# Allegro board pc065a_toplevel_49_modvia.brd (continued)
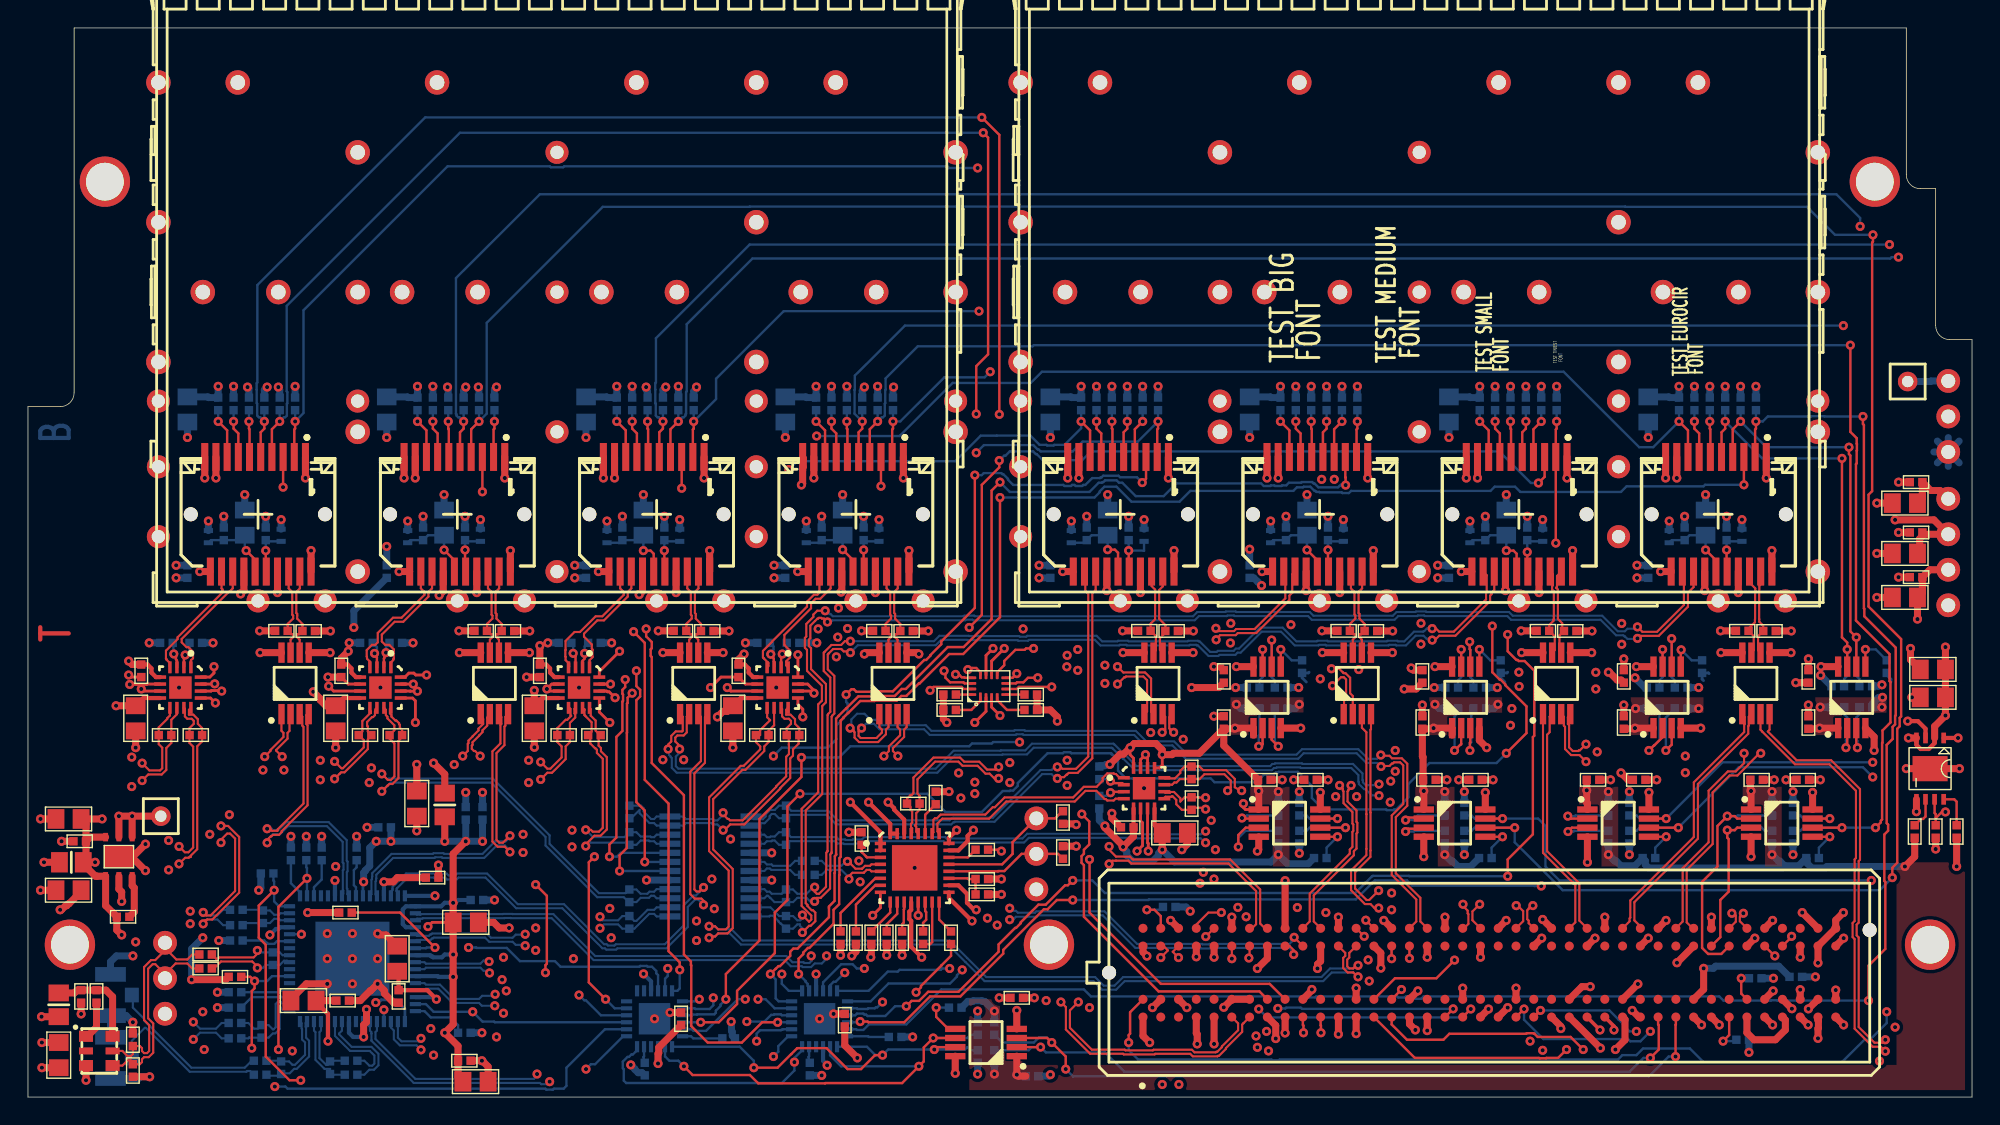
[diagram p0: board, top side]
## Routing (per net, layer and track width the routed paths; a pad name or vN(x,y) marks a point on that pad's centre or on a via; arc(x,y) is an arc through that point) (continued)
  L3_SIG w0.15: v1(36.4,1.65) 36.45,1.7 37.29,1.7 37.33,1.66 37.53,1.66 38.21,0.99 74.26,0.99 74.31,1.04 78.19,1.04 79.01,1.85 81.23,1.85 81.41,1.67 81.54,1.67 82.29,0.91 v1(82.29,0.9)
  L6_SIG w0.15: v1(82.29,0.9) 81.88,1.31 81.88,9.68 82.18,9.98 v1(82.27,9.98)
  BOTTOM w0.15: IC3.53 24.95,4.75 24.85,4.65 24.85,4.15 27.7,1.3 36.19,1.3 v1(36.4,1.65)
CLK_MAIN_P<0>: length 20.6
  TOP w0.15: v1(17.1,19.2) 17.3,19.2 17.45,19.05 17.82,19.05 17.85,19.08 17.85,19.15 19.7,21 19.7,26.49 19.61,26.58 19.61,27.21 U3.3
  BOTTOM w0.15: v1(17.1,19.2) 17.42,19.2 17.53,19.09 17.89,19.09 18.48,19.68 21.5,19.68 22.79,18.38 22.79,16.91 22.85,16.85 22.85,16.15 22.8,16.1 22.8,14.93 22.84,14.9 22.84,14.52 IC3.24
CLK_MAIN_P<1>: length 23.3
  TOP w0.15: v1(34.46,17.54) 34.09,17.91 34.08,17.91 33.58,17.91 33.21,18.28 33.21,24.73 33.78,25.3 33.78,26.63 33.84,26.7 33.84,27.2 33.67,27.37 U4.3
  BOTTOM w0.15: IC3.28 24.85,14.5 24.85,15.43 24.89,15.47 24.89,15.63 24.91,15.65 24.91,15.91 26.11,17.11 29.07,17.11 29.12,17.16 29.58,17.16 29.63,17.11 32.62,17.11 33.51,18 34.1,18 34.46,17.64 v1(34.46,17.54)
CLK_MAIN_P<2>: length 42.3
  TOP w0.15: 47.92,27.4 48.12,27.21 48.12,24.04 47.36,23.28 47.36,14.52 47.68,14.2 48.15,14.2 48.3,14.05 v1(48.3,13.75)
  BOTTOM w0.15: IC3.31 26.45,14.63 26.36,14.72 26.36,14.78 26.36,14.78 26.36,14.91 26.39,14.94 26.39,14.94 27.15,15.7 29.01,15.7 29.02,15.7 29.83,15.7 29.96,15.57 30.64,15.57 30.78,15.7 32.71,15.7 34.9,13.51 38.2,13.51 41.07,10.65 41.25,10.65 41.35,10.55 42.05,10.55 42.15,10.65 45.66,10.65 47.17,12.16 47.17,13.6 47.71,14.13 47.92,14.13 v1(48.3,13.75)
CLK_MAIN_P<3>: length 55.2
  TOP w0.15: v1(61.2,24.4) 61.55,24.76 61.55,25.09 62.35,25.89 62.35,26.29 62.17,26.47 U6.3
  L6_SIG w0.15: v1(57.1,10.1) 56.81,10.39 56.81,12.29 57.13,12.61 57.13,24.13 58.49,25.49 61.17,25.49 61.5,25.16 61.5,24.7 v1(61.2,24.4)
  BOTTOM w0.15: IC3.35 27.82,12.77 28.2,12.77 28.23,12.8 34.07,12.8 34.09,12.82 34.51,12.82 34.53,12.8 37.44,12.8 40.44,9.8 54.1,9.8 54.54,9.36 55.33,9.36 55.39,9.3 55.99,9.3 56.25,9.56 56.76,9.56 57.1,9.9 v1(57.1,10.1)
CLK_MAIN_P<4>: length 72.7
  TOP w0.15: v1(81.09,26.1) 81.1,26.1 81.31,26.31 81.31,27.21 U10.3
  L3_SIG w0.15: v1(35.55,10.83) 35.89,11.18 38.52,11.18 39.41,10.29 47.69,10.29 47.7,10.28 48.38,10.28 48.39,10.29 55.33,10.29 56.28,11.24 70.47,11.24 72.16,12.94 72.17,12.94 72.33,13.09 76.76,13.09 79.26,15.59 83.51,15.59 v1(83.8,15.3)
  L6_SIG w0.15: v1(81.09,26.1) 81.09,26.01 81.1,26.01 81.1,25.67 81.31,25.46 81.31,25.08 81.66,24.73 81.66,24.1 83.19,22.57 83.19,17.94 83.22,17.91 83.22,17.49 83.19,17.46 83.19,15.91 v1(83.8,15.3)
  BOTTOM w0.15: v1(35.55,10.83) 35.49,10.89 34.87,10.89 34.65,11.11 32.98,11.11 32.68,11.41 29.01,11.41 28.95,11.35 28.89,11.35 28.78,11.25 28.11,11.25 28.1,11.24 28.09,11.24 28.08,11.25 27.8,11.25 IC3.38
CLK_MAIN_P<5>: length 88.5
  TOP w0.15: v1(96.58,13.52) 96.28,13.52 95.99,13.81 95.59,13.81 94.6,14.8 94.6,16.21 95.69,17.31 95.69,17.76 95.7,17.76 95.7,20.24 95.69,20.24 95.69,26.11 95.38,26.43 U9.3
  L3_SIG w0.15: v1(96.58,13.52) 96.4,13.52 96.12,13.8 95.77,13.8 94.56,12.59 94.56,12.51 94.06,12.01 93.98,12.01 89.63,7.66 68.12,7.66 67.64,8.15 59.68,8.15 59.48,7.95 56.73,7.95 56.71,7.93 52.72,7.93 52.7,7.95 49.41,7.95 49.37,7.99 48.63,7.99 48.59,7.95 44.78,7.95 44.77,7.94 43.65,7.94 41.61,7.95 41.57,7.99 40.83,7.99 40.79,7.95 35.72,7.95 34.67,8.99 33.78,8.99 33.58,9.19 33.44,9.19 33.28,9.04 33.16,9.04 v1(33,8.88)
  BOTTOM w0.15: v1(33,8.88) 32.85,9.04 32.57,9.04 32.35,9.26 28.45,9.26 28.35,9.15 IC3.42
CLK_MAIN_P<6>: length 111.9
  TOP w0.15: U8.3 109.81,27.21 109.81,26.58 109.9,26.49 109.9,24.9 110.33,24.47 110.93,24.47 v1(111.4,24)
  L3_SIG w0.15: v1(33.38,6.53) 33.42,6.53 33.54,6.65 38.31,6.65 38.83,6.13 44.27,6.13 44.79,6.65 46.45,6.65 47.07,6.03 47.88,6.03 47.89,6.05 50.55,6.05 50.63,6.13 52.56,6.13 52.62,6.19 55.83,6.19 56.09,6.45 57.31,6.45 57.37,6.51 57.83,6.51 57.89,6.45 59.24,6.45 59.45,6.25 60.18,6.25 60.84,5.59 64.52,5.59 64.58,5.53 65.3,5.53 65.36,5.59 66.38,5.59 66.83,5.14 73.07,5.14 73.07,5.13 83.33,5.13 83.75,5.55 86.61,5.55 86.73,5.43 89.76,5.43 89.91,5.58 92.27,5.58 92.68,5.16 98.77,5.16 98.97,5.36 99.43,5.36 99.48,5.32 100.58,5.32 100.74,5.16 104.91,5.16 107.12,2.95 107.48,2.95 107.53,2.9 107.95,2.9 108.3,3.25 v1(108.3,3.35)
  L6_SIG w0.15: v1(111.4,24) 111,24.4 110.72,24.4 109.41,23.09 109.41,5.6 108.53,4.72 108.53,4.56 108.4,4.43 108.4,3.45 v1(108.3,3.35)
  BOTTOM w0.15: IC3.45 28.35,7.65 28.45,7.76 29.33,7.76 30.36,6.73 32.25,6.73 32.45,6.53 v1(33.38,6.53)
CLK_MAIN_P<7>: length 140.5
  TOP w0.15: v1(132.8,3.28) 132.48,3.6 131.9,3.6 130.61,4.89 130.61,11.3 130.46,11.45 130.46,12.45 130.61,12.6 130.61,17.01 130.7,17.1 130.7,21.92 128.81,23.81 126.34,23.81 123.99,26.16 123.99,26.17 123.88,26.29 U7.3
  L3_SIG w0.15: v1(28.1,3.38) 28.3,3.38 28.39,3.47 28.68,3.47 28.77,3.56 29.63,3.56 29.7,3.49 32.82,3.49 32.87,3.45 33.12,3.45 33.14,3.43 33.86,3.43 33.88,3.45 35.54,3.45 35.62,3.53 37.18,3.53 37.26,3.45 45.45,3.45 45.65,3.25 51.49,3.25 51.51,3.22 51.53,3.22 51.56,3.19 51.68,3.19 51.74,3.13 52.46,3.13 52.58,3.25 52.85,3.25 53.07,3.46 53.53,3.46 53.58,3.42 60.19,3.42 60.39,3.61 61.75,3.61 62.37,2.99 63.91,2.99 64.4,2.5 65.9,2.5 66.09,2.69 71.81,2.69 71.98,2.52 73.92,2.52 73.97,2.56 74.43,2.56 74.48,2.52 75.28,2.52 75.55,2.25 86.92,2.25 87.31,1.85 110.24,1.85 110.29,1.9 130.4,1.9 132.1,3.6 132.48,3.6 v1(132.8,3.28)
  BOTTOM w0.15: IC3.51 25.95,4.97 26.16,4.76 26.16,4.13 26.59,3.7 27.78,3.7 v1(28.1,3.38)
CLK_MAIN_P<8>: length 71.6
  TOP w0.15: 81,10.8 81.19,10.8 81.48,10.51 81.48,10.47 v1(81,9.98)
  L3_SIG w0.15: v1(37.3,1.1) 37.3,0.97 37.54,0.72 37.99,0.72 38.04,0.68 74.39,0.68 74.44,0.72 78.32,0.72 79.14,1.54 80.95,1.54 81.1,1.39 v1(81.1,0.9)
  L6_SIG w0.15: v1(81.1,0.9) 81.57,1.37 81.57,9.73 81.32,9.98 v1(81,9.98)
  BOTTOM w0.15: IC3.54 24.45,4.75 24.55,4.65 24.55,4.54 24.56,4.53 24.56,4.07 24.55,4.06 24.55,4.03 27.58,1.01 36.6,1.01 36.69,0.92 37.16,0.92 37.27,1.09 v1(37.3,1.1)
CLK_RST_B: length 38
  TOP w0.17: R9.2 15.9,8.6 v1(16.2,8.3) 16.2,7.78 16,7.58 v1(16,3.5)
  L3_SIG w0.17: v1(39.9,2) 39.55,2.35 39.44,2.35 39.38,2.4 36.92,2.4 36.77,2.55 36.03,2.55 35.88,2.4 34.67,2.4 33.92,1.66 20.75,1.66 20.3,2.1 16.91,2.1 16,3.01 v1(16,3.5)
  BOTTOM w0.17: v1(16.2,8.3) 17.1,8.3 17.45,8.65 IC3.6 ; v1(39.9,2) 40.25,2.35 40.55,2.35 42.55,4.35 IC23.1
CLK_SI_N<0>: length 5.7
  BOTTOM w0.15: C22.1 18.05,2.6 R13.2 18.66,2.55 18.91,2.31 19.1,2.31 19.81,3.02 19.81,3.91 19.6,4.12 19.6,4.87 19.57,4.9 19.57,5.29 IC3.64
CLK_SI_N<1>: length 5.8
  BOTTOM w0.15: C24.1 15.75,5.3 16.16,4.9 16.45,4.9 R14.2 17.2,5.15 17.51,4.85 17.56,4.85 17.71,5 17.71,6.66 17.86,6.81 18.07,6.81 18.32,6.56 18.61,6.56 IC3.2
CLK_SI_N<2>: length 3.5
  BOTTOM w0.15: IC3.15 18.05,13.15 17.95,13.04 17.61,13.04 17.3,13.35 R15.2 16.75,13.4 C26.1
CLK_SI_N<3>: length 5.5
  BOTTOM w0.15: IC3.62 20.45,4.75 20.55,4.65 20.55,2.66 21.2,2.02 21.6,2.02 R16.2 21.65,1.6 C28.1
CLK_SI_P<0>: length 6.3
  BOTTOM w0.15: C21.1 17.12,1.53 17.98,1.53 R13.1 18.15,1.7 18.71,1.7 19.03,2.02 19.22,2.02 20.1,2.9 20.1,4.03 19.89,4.24 19.89,4.99 19.86,5.02 19.86,5.31 IC3.63
CLK_SI_P<1>: length 5.5
  BOTTOM w0.15: C23.1 15.75,4.2 15.82,4.26 15.83,4.25 R14.1 17.2,4.25 17.51,4.56 17.68,4.56 18,4.87 18,6.47 18.2,6.27 18.59,6.27 IC3.1
CLK_SI_P<2>: length 3.6
  BOTTOM w0.15: C25.1 15.5,12.45 R15.1 17.3,12.45 17.61,12.76 17.95,12.76 18.05,12.65 IC3.14
CLK_SI_P<3>: length 4.8
  BOTTOM w0.15: IC3.61 20.95,4.75 20.84,4.65 20.84,2.78 21.32,2.3 21.42,2.3 21.57,2.46 21.57,2.52 R16.1 21.65,2.6 C27.1
FMC_LA_N<2>: length 98.6
  TOP w0.15: U3.2 18.7,27.33 18.7,26.2 18.56,26.06 18.56,25.64 17.74,24.82 17.74,24.79 v1(18.17,24.36) ; J10.H8 88.44,12.08 88.1,12.42 88.1,14.86 85.96,17 79,17 78.8,17.2 77.79,17.2 77.3,17.7 v1(77.3,17.93)
  L3_SIG w0.15: v1(18.17,24.36) 17.78,24.75 17.78,27.68 20.81,30.71 27.39,30.71 27.44,30.66 28.17,30.66 28.27,30.76 28.73,30.76 28.83,30.66 31.24,30.66 31.7,31.12 35.14,31.12 35.27,30.99 35.43,30.99 35.49,30.93 36.22,30.93 36.28,30.99 38.51,30.99 38.62,30.88 39.44,30.88 39.44,30.88 40.16,30.88 40.27,30.99 40.83,30.99 40.96,31.12 41.84,31.12 41.94,31.03 42.66,31.03 42.76,31.12 44.04,31.12 44.47,30.69 53.4,30.69 53.51,30.58 54.19,30.58 54.33,30.72 57.29,30.72 57.37,30.64 57.43,30.64 57.44,30.63 58.16,30.63 58.21,30.67 58.94,30.67 58.99,30.72 64.66,30.72 65.06,31.13 66.8,31.13 66.89,31.22 67.31,31.22 67.4,31.13 73.76,31.13 73.97,30.92 74.15,30.92 v1(74.28,30.79)
  L6_SIG w0.15: v1(74.28,30.79) 74.15,30.92 73.97,30.92 73.76,31.13 73.47,31.13 73.32,30.98 73.32,30.58 76.6,27.3 76.6,20.96 76.37,20.73 76.37,17.92 76.75,17.53 77.1,17.53 77.3,17.73 v1(77.3,17.93)
FMC_LA_N<3>: length 102.2
  TOP w0.15: v1(8.16,23.89) 8.68,23.37 9.44,23.37 9.6,23.53 9.6,25 9.35,25.25 R61.1 9.35,26.45 9.96,27.06 9.96,27.11 10.15,27.3 IC4.9 ; v1(90.53,11.43) 91.16,10.8
  L3_SIG w0.15: v1(67.7,22.53) 67.47,22.3 67.04,22.3 66.71,22.63 66.31,22.63 66.14,22.8 49.7,22.8 48.04,21.14 32.8,21.14 32.76,21.1 16.61,21.1 14.31,23.4 8.65,23.4 v1(8.16,23.89)
  L6_SIG w0.15: v1(70.19,13.51) 69.85,13.17 69.46,13.17 68.91,13.72 68.91,17.45 68.89,17.47 68.89,21.94 68.56,22.28 67.95,22.28 v1(67.7,22.53)
  BOTTOM w0.15: v1(90.53,11.43) 90.5,11.43 90.35,11.28 90.35,11.11 90.2,10.96 84.48,10.96 84.44,10.92 83.98,10.92 83.94,10.96 79.3,10.96 76.97,13.29 72.1,13.29 72,13.19 70.78,13.19 70.64,13.32 70.49,13.32 70.4,13.42 70.28,13.42 v1(70.19,13.51)
FMC_LA_N<4>: length 85
  TOP w0.15: v1(32.33,24.4) 31.97,24.76 31.89,24.76 31.74,24.91 31.74,25.15 31.79,25.2 31.79,25.39 32.26,25.86 32.26,25.88 32.5,26.11 32.5,26.24 32.84,26.58 32.84,27.15 32.89,27.2 32.89,27.26 33.02,27.4 ; v1(94.6,22.3) 94.6,22.18 94.41,21.99 94.41,21.92 94.35,21.87 94.35,21.15 94.99,20.51 94.99,19.69 95.05,19.63 95.05,18.92 94.99,18.86 94.99,17.78 94.8,17.59 94.8,17.3 91.94,14.44 91.94,12.57 J10.H11
  L3_SIG w0.15: v1(94.6,22.3) 94.61,22.31 94.61,22.93 94.4,23.14 94.4,23.54 94.07,23.87 93.73,23.87 93.31,24.29 87.59,24.29 87.47,24.4 85.1,24.4 82.58,26.92 82.32,26.92 82.27,26.97 81.55,26.97 81.55,26.97 80.73,26.97 80.73,26.96 79.93,26.96 79.89,26.92 79.72,26.92 78.78,25.98 73.39,25.98 72.22,24.83 69.56,24.83 69.53,24.8 68.1,24.8 67.7,24.4 65.96,24.4 65.36,23.8 55.59,23.8 55.53,23.74 55.07,23.74 55.02,23.79 48.98,23.79 47.7,22.5 37.9,22.5 37.18,21.78 33.87,21.78 31.93,23.72 31.93,24 v1(32.33,24.4)
FMC_LA_N<6>: length 26.9
  TOP w0.17: 92.42,5.73 92.42,5.14 92.45,5.12 v1(92.45,4.6) ; IC12.2 86.84,19.93 v1(86.8,19.97)
  L3_SIG w0.17: v1(87.1,12.9) 91.96,12.9 92.26,13.2 v1(92.8,13.2)
  L6_SIG w0.17: v1(87.1,12.9) 87.1,17.65 87.11,17.66 87.11,18.36 87.18,18.43 87.18,18.87 87.1,18.94 87.1,19 86.8,19.3 v1(86.8,19.97) ; v1(92.45,4.6) 92.45,5.09 92.8,5.45 v1(92.8,13.2)
  BOTTOM w0.17: R137.1 87.15,20.15 86.97,19.97 v1(86.8,19.97)
FMC_LA_N<7>: length 71.8
  TOP w0.15: v1(46.59,24.9) 46.5,24.99 46.5,25.22 46.28,25.44 46.28,25.72 46.43,25.87 46.88,25.87 47.1,26.09 47.1,27.23 U5.2 ; J10.H14 v1(95.66,12.66)
  L6_SIG w0.15: v1(95.66,12.66) 95.22,12.29 94.98,12.29 94.83,12.44 94.83,13.93 95.19,14.29 95.19,15.19 97.89,17.89 97.89,20.36 98.27,20.74 98.27,21.46 97.69,22.04 97.2,22.04 97.15,22.1 97,22.1 96.8,22.3 96.69,22.3 v1(96.6,22.39)
  BOTTOM w0.15: v1(96.6,22.39) 96.53,22.32 95.65,22.32 95.45,22.52 95.45,22.65 95.42,22.69 95.42,23.16 94.74,23.84 91.13,23.84 91.09,23.88 89.17,23.88 89.12,23.84 88.97,23.84 88.82,23.68 79.26,23.68 78.45,24.48 78.42,24.48 77.68,25.23 77.67,25.23 77.61,25.29 71.78,25.29 71.31,24.8 69.57,24.8 69.54,24.78 66.18,24.78 64.9,23.5 46.5,23.5 46.32,23.68 46.32,24.37 46.5,24.55 46.5,24.81 46.59,24.9 v1(46.59,24.9)
FMC_LA_N<8>: length 71.7
  TOP w0.15: v1(95.1,9.42) 94.98,9.42 94.76,9.2 94.47,9.2 94.32,9.35 94.32,9.83 94.47,9.98 94.47,10.32 94.97,10.8 ; IC7.9 52.85,27.18 53.06,26.97 53.06,26.97 52.35,26.26 52.35,25.9 R73.1 52.05,25.4 52.35,25.09 52.35,24.88 51.17,23.7 50.96,23.7 48.7,21.44 48.7,17.6 50.1,16.2 50.1,12.2 49.9,12 49.35,12 49.13,12.22 v1(48.7,12.22)
  BOTTOM w0.15: v1(95.1,9.42) 94.98,9.42 94.75,9.2 93.1,9.2 92.48,8.59 78.3,8.59 77.68,7.97 76.92,7.97 76.3,8.59 68.52,8.59 67.15,9.95 67.15,9.95 65.9,11.2 51.1,11.2 50.3,12 49.35,12 49.13,12.22 v1(48.7,12.22)
FMC_LA_N<9>: length 25.2
  TOP w0.17: 102.47,25.27 102.47,25.23 ; 102.47,25.27 IC18.2 ; 102.47,25.27 v1(102,24.8) ; J10.D15 v1(98.2,7.7)
  L6_SIG w0.17: v1(102,24.8) 100.4,23.2 100.4,11.4 100.8,11 100.8,9.9 98.94,8.04 98.55,8.04 v1(98.2,7.7)
  BOTTOM w0.17: v1(102,24.8) 102,27.24 102.25,27.49 R162.1
FMC_LA_N<10>: length 37
  TOP w0.17: v1(110.1,20.1) 110.28,19.93 IC15.2 ; v1(111.2,3.4) 110.3,4.3 107.94,4.3 107.72,4.53 107.68,4.53 107.64,4.57 107.16,4.57 107.12,4.53 101.63,4.53 101.2,4.1 98.6,4.1 97.5,5.19 97.5,5.73
  L6_SIG w0.17: v1(110.1,20.1) 110.9,19.3 110.9,8.08 110.83,8.01 110.83,3.77 v1(111.2,3.4)
  BOTTOM w0.17: v1(110.1,20.1) 110.6,20.1 110.65,20.15 R147.1
FMC_LA_N<11>: length 60.7
  TOP w0.15: v1(58.78,26.4) 58.87,26.4 59.04,26.23 59.04,26.17 59.1,26.11 59.1,25.72 59.42,25.4 60.78,25.4 61.34,25.96 61.34,26.29 61.52,26.47 U6.2 ; J10.H17 99.56,12.57 99.56,14.26 97.8,16.01 97.8,20.03 98.62,20.85 98.62,23.85 98.23,24.24 97.53,24.24 97.35,24.42 96.78,24.42 v1(96.73,24.47)
  BOTTOM w0.15: v1(58.78,26.4) 58.87,26.49 58.87,27.02 59.28,27.42 59.81,27.42 60.24,27 60.61,27 61.01,26.61 64.19,26.61 64.59,26.2 70.5,26.2 70.55,26.25 71.25,26.25 71.3,26.2 79.21,26.2 79.96,25.45 81.95,25.45 82.9,24.5 90.7,24.5 91.09,24.89 95.12,24.89 95.81,24.2 96.45,24.2 v1(96.73,24.47)
FMC_LA_N<12>: length 15.5
  TOP w0.17: 98.78,10.8 v1(98.78,9.93) ; v1(98.5,19.82) 98.52,19.82 98.7,20 99.72,20 IC14.2
  L6_SIG w0.17: v1(98.5,19.82) 99.12,19.2 99.12,10.27 v1(98.78,9.93)
  BOTTOM w0.17: R142.1 99.37,20.15 99.04,19.82 v1(98.5,19.82)
FMC_LA_N<14>: length 41.4
  TOP w0.17: 88.28,25.27 88.28,25.23 ; 88.28,25.27 88.28,26.4 ; 88.28,25.27 88.2,25.2 88.1,25.2 v1(88,25.1) ; J10.C19 v1(103.16,6.3)
  L6_SIG w0.17: v1(88,25.1) 88.53,24.58 88.53,22.76 88.24,22.47 87.76,22.47 87.43,22.14 87.43,21.66 87.76,21.33 88.24,21.33 88.5,21.07 88.5,6.8 v1(88,6.3)
  BOTTOM w0.17: v1(103.16,6.3) 102.56,5.7 88.6,5.7 v1(88,6.3) ; v1(88,25.1) 88,25.86 88.05,25.91 R157.1
FMC_LA_N<15>: length 54.1
  TOP w0.15: v1(77.9,30.8) 78.32,30.38 79.87,30.38 80.31,29.95 80.31,27.57 U10.2 ; 103.86,12.08 103.28,12.65 103.28,13.28 v1(103.8,13.8)
  L3_SIG w0.15: v1(106.1,27.8) 106.1,27.5 105.86,27.26 103.35,27.26 103.31,27.27 100.31,27.27 100.29,27.29 99.21,27.29 98.09,28.41 93.29,28.41 92.33,29.36 92.17,29.36 91.84,29.69 91.84,29.86 91.46,30.23 78.46,30.23 v1(77.9,30.8)
  L6_SIG w0.15: v1(103.8,13.8) 103.67,13.8 103.3,14.17 103.3,14.89 104.76,16.35 104.76,20.92 107.21,23.37 107.21,26.58 106.4,27.39 106.4,27.5 v1(106.1,27.8)
FMC_LA_N<18>: length 36.3
  TOP w0.17: v1(108.14,6.2) J10.C23 ; IC19.2 116.88,25.75 116.29,25.17 116.27,25.17 v1(115.9,24.8)
  L6_SIG w0.17: v1(115.9,24.8) 117.1,23.6 117.1,21.9 118.7,20.3 118.7,8.89 115,5.19 v1(115,4.7)
  BOTTOM w0.17: v1(115,4.7) 114.51,4.7 114.05,5.16 114.05,5.23 113.73,5.55 113.72,5.55 113.07,6.2 v1(108.14,6.2) ; R167.1 116.65,25.55 v1(115.9,24.8)
FMC_LA_N<19>: length 38.5
  TOP w0.15: v1(107.6,13.7) 107.5,13.7 107.3,13.5 107.3,13.46 107.2,13.36 107.2,12.73 107.3,12.62 107.3,12.44 107.67,12.08 ; v1(93.2,30.65) 93.75,30.65 94.02,30.38 94.04,30.38 94.09,30.33 94.21,30.33 94.53,30 94.53,28.89 94.72,28.7 U9.2
  L3_SIG w0.15: v1(106.6,30.4) 100.99,30.4 100.83,30.24 99.23,30.24 99.13,30.14 98.53,30.14 98.48,30.09 95.55,30.09 95.49,30.03 94.92,30.03 94.86,30.09 93.62,30.09 93.21,30.46 v1(93.2,30.65)
  L6_SIG w0.15: v1(106.6,30.4) 107.16,30.4 107.4,30.16 107.4,30.16 107.88,29.68 107.88,18.94 107.14,18.2 107.14,13.86 107.3,13.7 v1(107.6,13.7)
FMC_LA_N<21>: length 16.7
  TOP w0.15: U8.2 108.8,27.23 108.8,26.11 108.61,25.93 108.61,17.6 110.92,15.29 110.92,12.63 111.47,12.08
FMC_LA_N<24>: length 19
  TOP w0.15: 115.28,12.08 115.28,12.21 114.86,12.64 114.86,13.95 119.4,18.49 119.4,22.4 123,26 123,26.54 123.03,26.58 123.03,27.21 U7.2
FMC_LA_N<27>: length 77
  TOP w0.17: IC21.8 70.4,30 v1(70.7,30.3)
  TOP w0.254: J10.C27 113.4,5.07 v1(113.4,4.8)
  L3_SIG w0.17: v1(70.7,30.3) 71.2,30.8 72.4,30.8 73.19,30.01 74.78,30.01 74.82,29.97 75.29,29.97 75.63,30.3 75.63,30.36 76,30.73 76,31.6 77.1,32.7 80.9,32.7 81.1,32.5 83.93,32.5 84.54,31.88 87.11,31.88 87.6,31.4 90.6,31.4 91.9,32.7 92.92,32.7 93.02,32.6 97.6,32.6 98.36,31.84 99.83,31.84 99.88,31.88 100.39,31.88 100.63,32.13 100.64,32.13 101.53,33.02 102.72,33.02 102.83,33.13 102.83,33.13 102.85,33.15 103.32,33.15 103.44,33.02 105.07,33.02 105.56,32.53 106.04,32.53 106.08,32.58 109.92,32.58 v1(112.1,30.39)
  L6_SIG w0.2: v1(112.1,30.39) 112.49,30 112.57,30 112.76,29.81 112.82,29.81 113.7,28.94 113.7,28.48 113.52,28.3 113.52,27.81 113.66,27.67 113.66,24.27 114.48,23.44 114.48,22.69 113.7,21.9 113.7,17.22 113.24,16.76 113.24,16 114.25,14.99 114.25,6.75 113.4,5.9 v1(113.4,4.8)
FMC_LA_N<28>: length 128.3
  TOP w0.15: v1(123.89,24.6) 123.8,24.6 122.99,23.79 122.99,23.77 122.23,23.01 121.66,23.01 120.45,21.8 120.45,18.11 118.6,16.25 118.6,12.5 119.03,12.08 119.09,12.08 ; IC5.9 24.45,27.65 24.46,27.64 24.46,27.63 24.52,27.58 24.52,27.48 24.48,27.48 23.91,26.91 23.91,26.16 R65.1 24.01,25.54 24.01,25.02 22.52,23.53 22.41,23.53 v1(21.92,24.02)
  L3_SIG w0.15: v1(123.89,24.6) 123.29,25.2 123.29,25.37 122.96,25.7 113.1,25.7 112.5,26.3 109.97,26.3 109.52,25.85 104.88,25.85 104.63,26.1 101.96,26.1 101.67,25.81 99.29,25.81 97.82,27.29 86.13,27.29 86.12,27.3 85.91,27.3 85.66,27.55 85.66,27.61 85.15,28.12 85.08,28.12 85,28.2 82.8,28.2 82.79,28.21 74.4,28.21 74.22,28.39 72.98,28.39 72.79,28.2 55.83,28.2 55.66,28.37 54.94,28.37 54.77,28.2 47.3,28.2 47.1,28 42.09,28 42.03,27.94 41.99,27.94 41.96,27.92 41.5,27.92 41.42,28 27,28 22.57,23.57 22.37,23.57 v1(21.92,24.02)
FMC_LA_N<30>: length 108
  TOP w0.15: IC6.9 38.71,27.85 38.79,27.77 38.79,27.33 38.84,27.28 38.56,27 38.45,27 37.85,26.4 R69.1 37.85,25.4 38.16,25.09 38.16,24.3 37.35,23.5 37.14,23.5 v1(36.66,23.97) ; v1(122.65,13.15) 122.43,12.93 122.43,12.91 122.4,12.89 122.4,12.58 122.91,12.08
  L3_SIG w0.15: v1(36.66,23.97) 37.05,23.59 42.09,23.59 44.58,26.08 49.15,26.08 53.58,26.03 53.77,26.03 54.1,25.7 67.83,25.7 68.43,26.3 71.83,26.3 72.73,27.2 72.73,27.26 73.24,27.77 73.96,27.77 74.14,27.59 82.53,27.59 82.54,27.58 83.42,27.58 84.97,26.02 85.88,26.02 86.07,25.84 87.51,25.84 87.64,25.97 88.36,25.97 88.49,25.84 88.91,25.84 89.04,25.97 89.76,25.97 89.88,25.84 90.83,25.84 90.87,25.8 98,25.8 99.8,24 109.63,24 110.33,23.3 112.2,23.3 112.96,24.06 113.53,24.06 113.54,24.07 117.96,24.07 118.04,24.15 118.25,24.15 v1(118.5,24.4)
  L6_SIG w0.15: v1(122.65,13.15) 122.7,13.2 122.7,13.63 122.45,13.87 122.45,21.73 120.17,24.01 119.16,24.01 119.13,24.04 118.86,24.04 v1(118.5,24.4)
FMC_LA_N<31>: length 17.5
  TOP w0.17: IC16.2 122.21,19.93 122.04,20.1 v1(121.5,20.1) 120.8,19.4 120.8,16.5 119.7,15.4 119.7,10.67 120.13,10.24 121.07,10.24 121.64,10.8
  BOTTOM w0.17: v1(121.5,20.1) 122.2,20.1 122.25,20.15 R152.1
FMC_LA_N<33>: length 20.8
  TOP w0.17: v1(129.98,25) 130.07,25.09 IC20.2 ; J10.G37 126.1,11.46 v1(126.1,11.5)
  L6_SIG w0.17: v1(129.98,25) 129.98,24.46 130.07,24.37 130.07,19.71 130.27,19.51 130.27,19.04 130.22,18.99 130.22,15.62 v1(126.1,11.5)
  BOTTOM w0.17: R172.1 129.85,27.39 130.07,27.16 130.07,25.63 129.98,25.54 v1(129.98,25)
FMC_LA_P<1>: length 37.1
  TOP w0.17: J10.D8 88.05,7.56 80.84,7.56 75.5,12.9 75.5,16.59 75.33,16.76 75.33,17.24 75.5,17.41 75.5,17.69 75.88,18.07 75.88,19.72 v1(75.35,20.25) ; v1(72.2,30) 71.5,30 71.17,29.67 70.71,29.67 70.64,29.6 IC21.7
  L6_SIG w0.17: v1(72.2,30) 72.2,29.4 75.5,26.1 75.5,20.94 75.35,20.79 v1(75.35,20.25)
FMC_LA_P<2>: length 99.6
  TOP w0.15: v1(77.3,16.68) 77.53,16.91 77.79,16.91 77.79,16.91 78.67,16.91 78.88,16.71 85.84,16.71 87.81,14.74 87.81,12.37 87.52,12.08 J10.H7 ; 18.12,27.4 18.12,26.2 18.27,26.06 18.27,25.76 17.34,24.84 17.34,24.77 v1(16.93,24.36)
  L3_SIG w0.15: v1(16.93,24.36) 17.42,24.85 17.47,25.86 17.47,27.81 20.68,31.02 27.52,31.02 27.57,30.97 28.04,30.97 28.14,31.07 28.86,31.07 28.96,30.97 31.11,30.97 31.57,31.44 35.27,31.44 35.4,31.3 35.56,31.3 35.62,31.24 36.09,31.24 36.15,31.3 38.64,31.3 38.75,31.19 39.21,31.19 39.32,31.3 39.46,31.3 39.57,31.19 40.03,31.19 40.15,31.3 40.7,31.3 40.84,31.44 41.97,31.44 42.07,31.34 42.53,31.34 42.63,31.44 44.16,31.44 44.6,31 53.53,31 53.64,30.89 54.06,30.89 54.2,31.03 57.42,31.03 57.5,30.95 57.56,30.95 57.57,30.94 58.03,30.94 58.08,30.98 58.81,30.98 58.86,31.03 64.53,31.03 64.94,31.44 66.67,31.44 66.76,31.52 67.44,31.52 67.53,31.44 73.76,31.44 73.97,31.65 74.25,31.65 74.29,31.61 v1(74.3,31.61)
  L6_SIG w0.15: v1(74.3,31.61) 74.29,31.61 74.25,31.65 73.97,31.65 73.76,31.44 73.34,31.44 73.01,31.1 73.01,30.45 76.29,27.17 76.29,21.09 76.06,20.86 76.06,17.79 76.62,17.22 77.15,17.22 77.3,17.07 v1(77.3,16.68)
FMC_LA_P<3>: length 102.6
  TOP w0.15: v1(90.5,10.2) 90.5,10.51 90.2,10.8 89.89,10.8 ; IC4.10 10.65,27.39 10.25,26.99 R61.2 10.25,25.34 9.89,24.98 9.89,23.41 9.56,23.08 8.6,23.08 v1(8.16,22.65)
  L3_SIG w0.15: v1(8.16,22.65) 8.61,23.09 14.18,23.09 16.48,20.79 32.89,20.79 32.93,20.83 48.17,20.83 49.83,22.49 66.01,22.49 66.18,22.32 66.58,22.32 66.91,21.99 67.45,21.99 67.47,21.97 67.53,21.97 67.7,21.8 v1(67.7,21.71)
  L6_SIG w0.15: v1(70.19,12.69) 70.01,12.87 69.98,12.86 69.98,12.86 69.33,12.86 68.6,13.59 68.6,17.32 68.58,17.34 68.58,21.82 68.43,21.97 67.96,21.97 v1(67.7,21.71)
  BOTTOM w0.15: v1(70.19,12.69) 70.26,12.76 70.5,12.76 70.64,12.9 72.12,12.9 72.22,13 76.85,13 79.18,10.67 83.82,10.67 83.86,10.63 84.56,10.63 84.6,10.67 90.2,10.67 90.35,10.52 90.35,10.35 v1(90.5,10.2)
FMC_LA_P<4>: length 84.9
  TOP w0.15: U4.1 32.38,27.25 32.49,27.13 32.49,27.11 32.55,27.06 32.55,26.7 32.21,26.36 32.21,26.23 31.8,25.83 31.8,25.81 31.5,25.51 31.5,25.32 31.45,25.27 31.45,24.76 v1(31.08,24.4) ; v1(93.78,22.3) 93.87,22.21 93.87,22.2 94.02,22.05 94.02,21.92 94.06,21.88 94.06,21.03 94.7,20.39 94.7,19.57 94.76,19.51 94.76,19.04 94.7,18.98 94.7,17.9 94.51,17.71 94.51,17.42 91.64,14.56 91.64,12.57 J10.H10
  L3_SIG w0.15: v1(93.78,22.3) 93.88,22.4 93.88,22.93 94.09,23.14 94.09,23.41 93.94,23.56 93.6,23.56 93.19,23.98 87.46,23.98 87.34,24.09 84.97,24.09 82.45,26.62 82.19,26.62 82.15,26.66 81.68,26.66 81.68,26.66 80.86,26.66 80.85,26.65 80.06,26.65 80.02,26.62 79.85,26.62 78.91,25.68 73.51,25.68 72.35,24.52 69.69,24.52 69.66,24.49 68.23,24.49 67.83,24.09 66.09,24.09 65.49,23.49 55.72,23.49 55.66,23.43 54.94,23.43 54.89,23.48 49.11,23.48 47.83,22.19 38.03,22.19 37.31,21.47 33.74,21.47 31.62,23.59 31.62,23.86 v1(31.08,24.4)
FMC_LA_P<6>: length 25.4
  TOP w0.17: v1(86.54,17.9) 86.54,18.75 87.06,19.27 IC12.3 ; v1(91.2,4.6) 91.2,5.12 91.16,5.16 91.16,5.73
  L3_SIG w0.17: v1(86.51,13.57) 87.04,13.57 87.06,13.56 v1(90.76,13.56)
  L6_SIG w0.17: v1(90.76,13.56) 90.76,12.04 91.1,11.7 91.1,9.86 90.76,9.52 90.76,5.04 v1(91.2,4.6) ; v1(86.51,13.57) 86.51,14.11 86.54,14.14 v1(86.54,17.9)
  BOTTOM w0.17: v1(86.54,17.9) 86.54,18.54 87.05,19.05 R136.1
FMC_LA_P<7>: length 72.4
  TOP w0.15: v1(45.77,24.9) 45.77,24.9 45.77,25.22 45.99,25.44 45.99,25.84 46.31,26.16 46.76,26.16 46.81,26.21 46.81,27.21 U5.1 ; J10.H13 v1(95.54,11.5)
  L6_SIG w0.15: v1(96.6,21.57) 96.62,21.59 96.75,21.59 96.93,21.77 96.96,21.77 96.98,21.79 97.02,21.79 97.07,21.73 97.56,21.73 97.96,21.33 97.96,20.87 97.58,20.49 97.58,18.02 94.88,15.31 94.88,14.41 94.52,14.06 94.52,12.32 94.85,11.98 95.14,11.98 95.16,11.97 v1(95.54,11.5)
  BOTTOM w0.15: v1(96.6,21.57) 96.58,21.59 96.07,21.59 95.63,22.03 95.53,22.03 95.16,22.4 95.16,22.53 95.12,22.57 95.12,23.04 94.62,23.55 91.01,23.55 90.97,23.59 89.29,23.59 89.24,23.55 89.09,23.55 88.94,23.39 79.14,23.39 78.33,24.2 78.3,24.2 77.56,24.94 77.55,24.94 77.49,25 71.91,25 71.43,24.52 69.69,24.52 69.66,24.49 66.3,24.49 65.02,23.21 46.38,23.21 46.03,23.56 46.03,24.25 45.95,24.33 45.95,24.37 45.83,24.49 45.83,24.84 v1(45.77,24.9)
FMC_LA_P<8>: length 72.2
  TOP w0.15: 93.69,10.8 94.19,10.32 94.19,10.1 94.03,9.95 94.03,9.23 94.35,8.91 94.76,8.91 94.98,8.69 95.01,8.69 v1(95.1,8.6) ; v1(48.7,11.4) 48.79,11.49 49.13,11.49 49.35,11.71 50.02,11.71 50.39,12.08 50.39,16.32 48.99,17.72 48.99,21.32 51.08,23.41 51.29,23.41 52.65,24.76 52.65,25.09 52.95,25.4 R73.2 52.95,26.2 53.35,26.6 IC7.10
  BOTTOM w0.15: v1(48.7,11.4) 48.79,11.49 49.13,11.49 49.35,11.71 50.18,11.71 50.98,10.91 65.78,10.91 67.03,9.66 67.03,9.66 68.4,8.29 76.18,8.29 76.8,7.68 77.8,7.68 78.42,8.29 92.61,8.29 93.22,8.91 94.76,8.91 94.98,8.69 95.01,8.69 v1(95.1,8.6)
FMC_LA_P<9>: length 27.3
  TOP w0.17: IC18.3 103.12,25.39 103.1,25.37 v1(103.1,24.8) ; J10.D14 97.74,8.5 100.7,8.5 v1(102,9.8)
  L6_SIG w0.17: v1(102,9.8) 102,13.53 101.95,13.58 101.95,19.65 103.3,21 103.3,24.11 103.1,24.31 v1(103.1,24.8)
  BOTTOM w0.17: v1(103.1,24.8) 103.1,25.29 103.19,25.38 103.19,27.33 103.35,27.49 R161.1
FMC_LA_P<10>: length 35.3
  TOP w0.17: IC15.3 110.39,19.27 v1(110.11,19) ; 96.23,5.73 99.16,2.8 108.04,2.8 108.06,2.78 108.54,2.78 108.56,2.8 109.41,2.8 v1(110.01,3.4)
  L6_SIG w0.17: v1(110.01,3.4) 110.01,3.92 110.11,4.02 110.11,4.61 110.17,4.66 110.17,5.14 110.12,5.18 110.12,5.28 110.11,5.29 v1(110.11,19)
  BOTTOM w0.17: v1(110.11,19) 110.5,19 110.55,19.05 R146.1
